# Altium PCB Board.PcbDoc
Units mm, origin at the board's own origin, x right, y up, seen from the top; angles counter-clockwise.
Board outline 85.1 x 45.1 mm, 2 copper layers (Top Layer, Bottom Layer), stack 1.662 mm thick; 81 components, 65 nets, 254 pads, 39 vias.
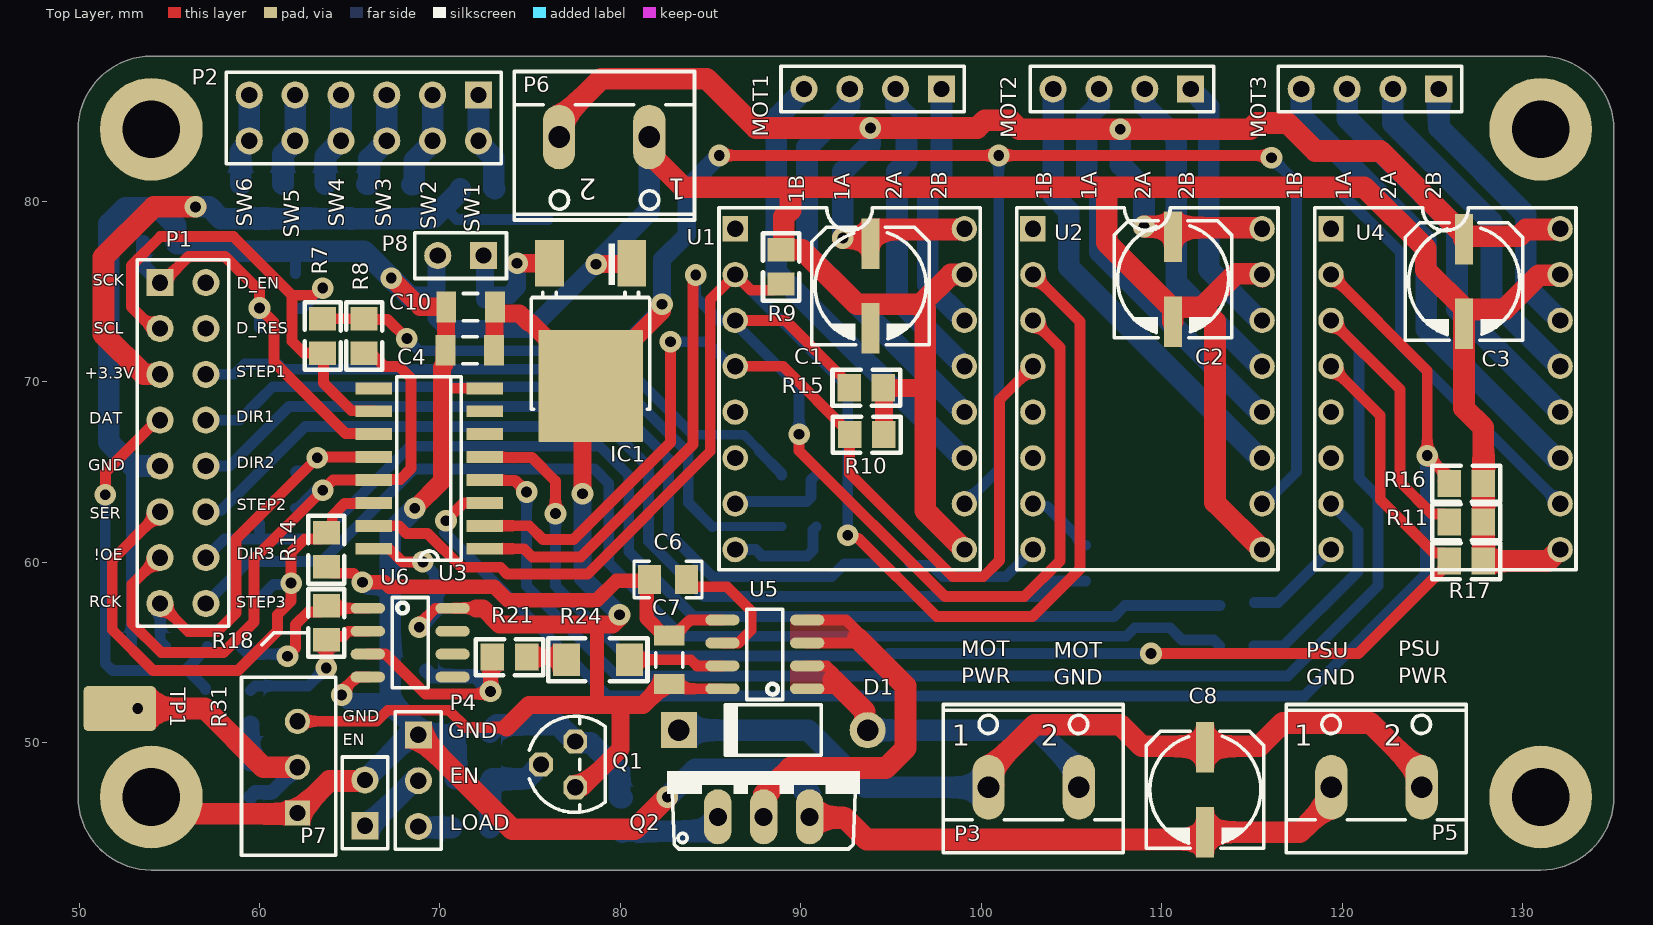
[diagram p0: Top Layer view]
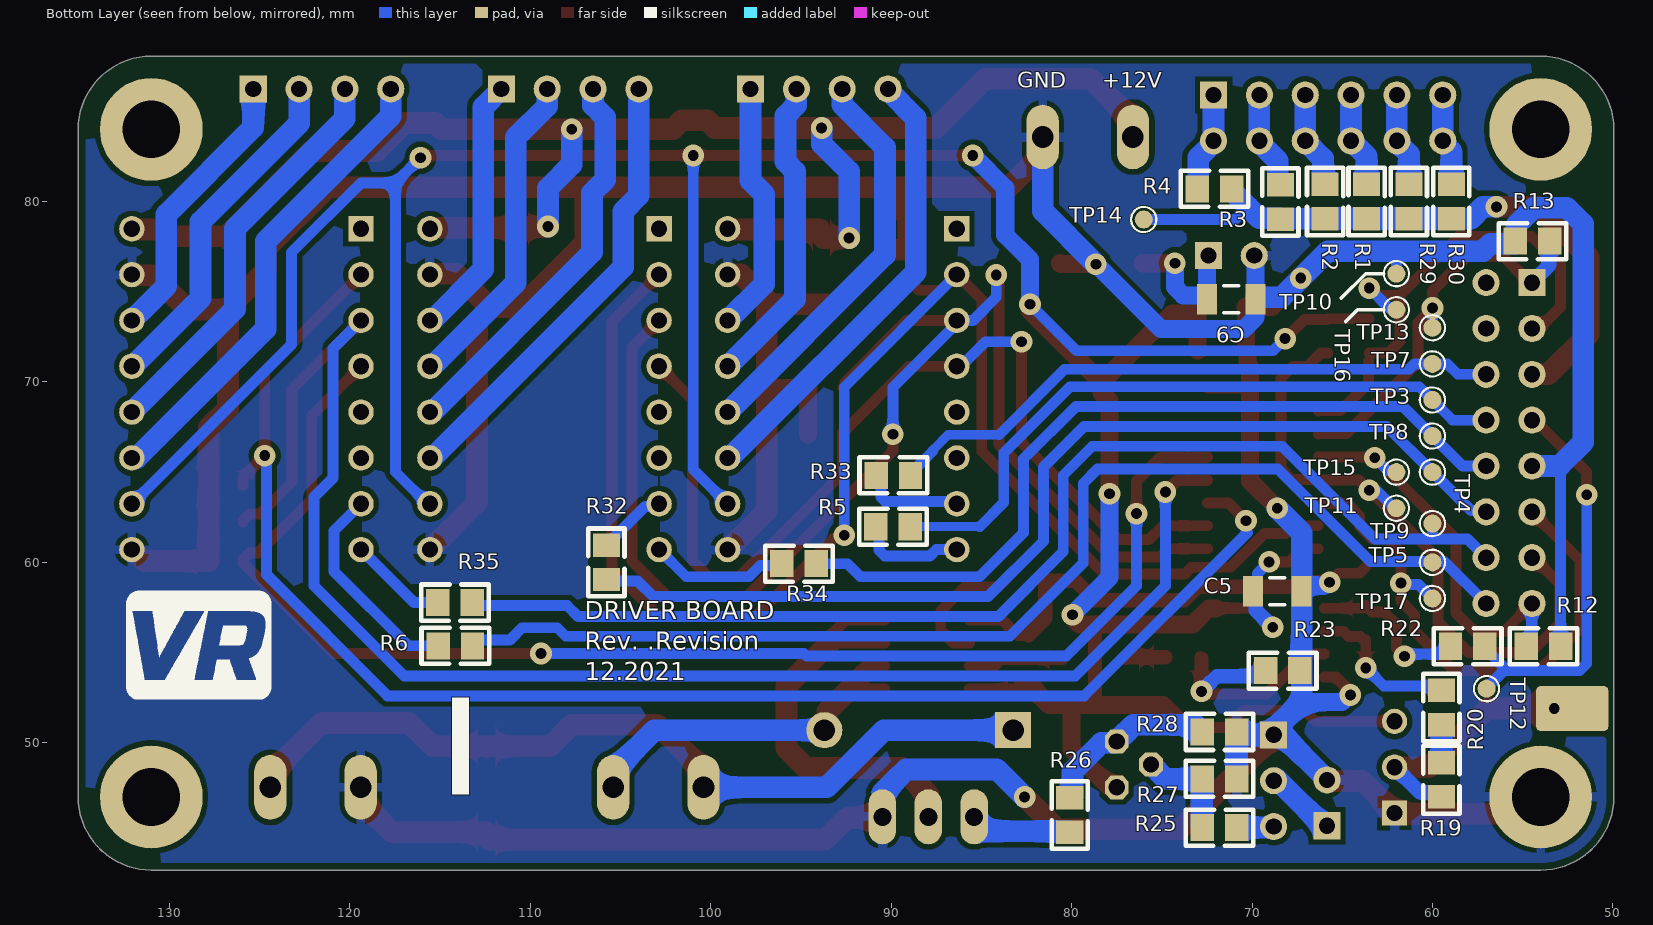
[diagram p1: Bottom Layer view, seen from below]
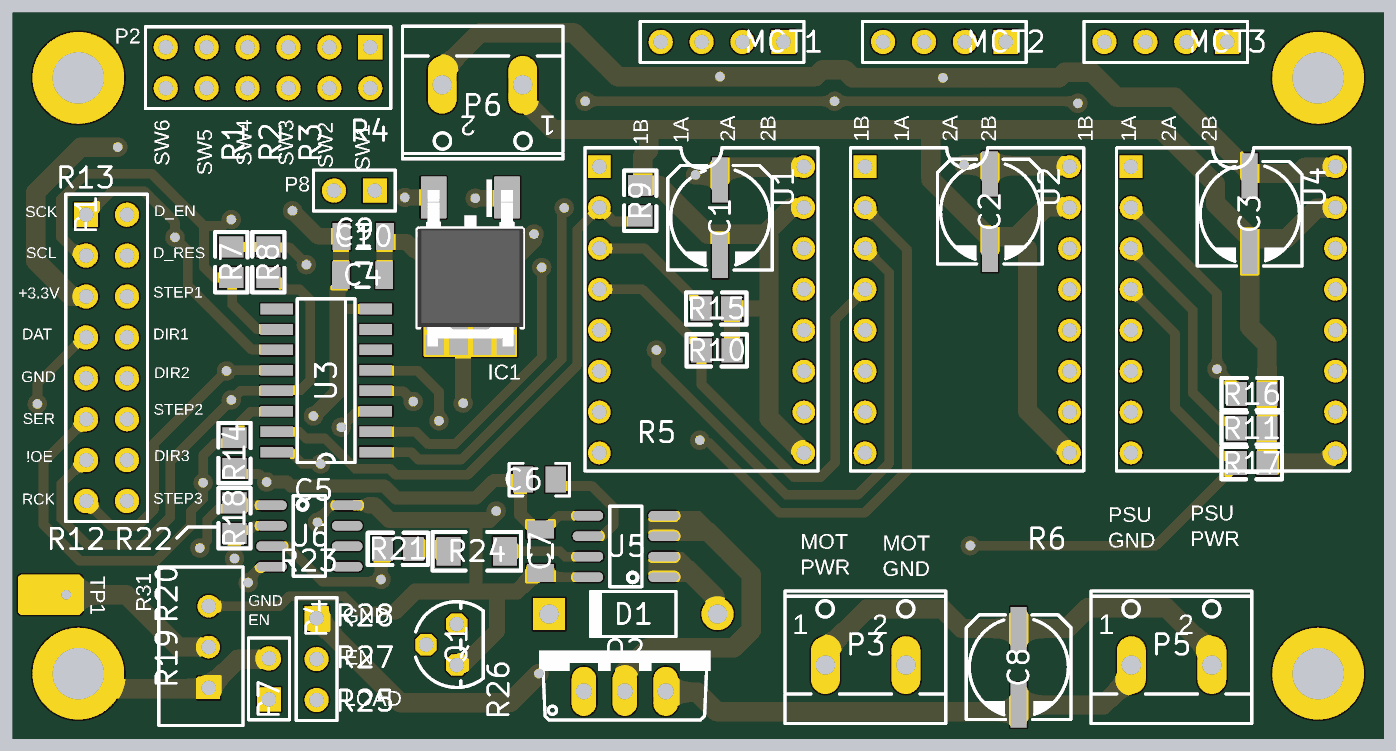
[diagram p2: 3D render of the assembled board from above, using the file's embedded part models]
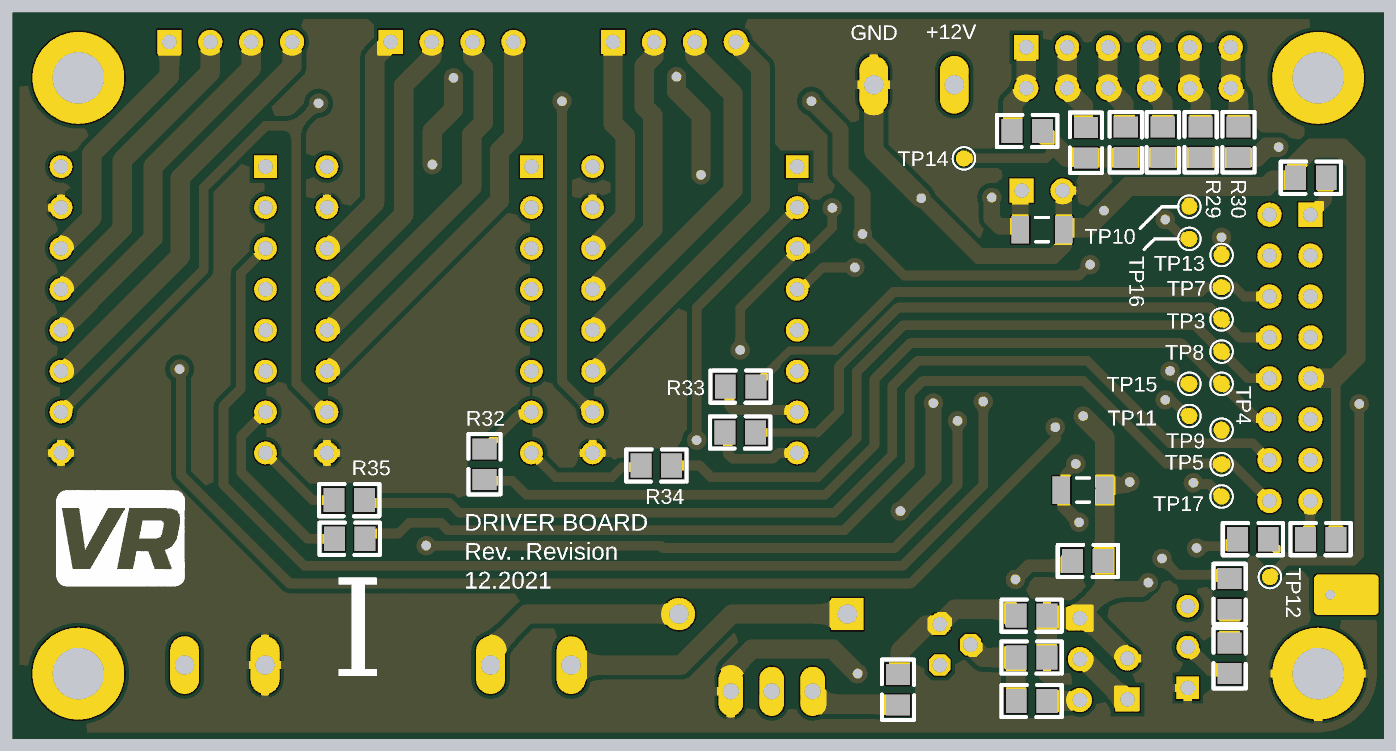
[diagram p3: 3D render of the assembled board from below, using the file's embedded part models]

## Layer stack, top to bottom
Top Solder: solder mask 0.0102, Solder Resist, Dk 3.5
Top Layer: signal copper 0.0356
Dielectric 1: core 1.591, Core-042, Dk 4.6
Bottom Layer: signal copper 0.0356
Bottom Solder: solder mask 0.0102, Solder Resist, Dk 3.5

## Board outline
49.95,46.999 cw(c54,47) 49.95,47 49.95,84 cw(c50,84) 49.95,84.001 cw(c54,84) 54,88.05 131,88.05 cw(c131,84) 135.05,84 135.05,47 cw(c131,47) 131,42.95 54,42.95 cw(c54,47)

## Design rules (kind name [scope] priority, off if disabled: settings)
BoardOutlineClearance [All] p1: gap=0.4 ignorepadtopadclearanceinfootprint=FALSE except(0.35: Text-OutlineEdge Text-CavityEdge Text-CutoutEdge Text-SplitBarrior Text-SplitContinuation)
Clearance Clearance_3level [All] p1: gap=0.3 ignorepadtopadclearanceinfootprint=FALSE // 3? ???? ???????? ?? ????
Clearance "Clearance Bottom Layer" [OnLayer('Bottom Layer')] p2 off: gap=0.203 ignorepadtopadclearanceinfootprint=TRUE except(0.254: Arc-Text Track-Text SMDPad-Text THPad-Text Via-Text Fill-Text Poly-Text Region-Text Text-Text; 0.3: Arc-Poly Track-Poly SMDPad-Poly THPad-Poly Via-Poly Fill-Poly Poly-Poly)
Clearance "Clearance Top Layer" [OnLayer('Top Layer')] p3 off: gap=0.203 ignorepadtopadclearanceinfootprint=TRUE except(0.254: Arc-Text Track-Text SMDPad-Text THPad-Text Via-Text Fill-Text Poly-Text Region-Text Text-Text)
Clearance [All] p4 off: gap=0.2 ignorepadtopadclearanceinfootprint=FALSE except(0.089: Arc-Arc Arc-Track Arc-SMDPad Track-Track Track-SMDPad SMDPad-SMDPad; 0.127: Arc-Via Track-Via SMDPad-Via THPad-Via Via-Via; 0.254: Arc-Text Track-Text SMDPad-Text THPad-Text Via-Text Fill-Text Poly-Text Region-Text Text-Text)
DiffPairsRouting [All] p1 off: maxlimit=0.254 minlimit=0.254 mostfreqgap=0.254 toplayer_minwidth=0.381 toplayer_maxwidth=0.381 toplayer_prefwidth=0.381 bottomlayer_minwidth=0.381 bottomlayer_maxwidth=0.381 bottomlayer_prefwidth=0.381 maxuncoupledlength=12.7
Height [All] p1 off: minheight=0 maxheight=25.4 prefheight=12.7
HoleSize [All] p1: absolutevalues=TRUE maxlimit=6.3 minlimit=0.2 maxpercent=80.000 minpercent=20.000
HoleToHoleClearance [All] p1: gap=0.2 allowstackedmicrovias=TRUE
MinimumAnnularRing [All] p1: minimumring=0.076
MinimumSolderMaskSliver [All] p1: minsoldermaskwidth=0.15
PolygonConnect PolygonConnect_1 [All] p1: thpad.connectstyle=Relief thpad.reliefconductorwidth=0.508 thpad.reliefentries=4 thpad.polygonreliefangle="90 Angle" thpad.airgapwidth=0.254 smdpad.connectstyle=Relief smdpad.reliefconductorwidth=0.508 smdpad.reliefentries=4 smdpad.polygonreliefangle="90 Angle" smdpad.airgapwidth=0.254 via.connectstyle=Direct via.reliefconductorwidth=0.508 via.reliefentries=4 via.polygonreliefangle="90 Angle" via.airgapwidth=0.254
RoutingVias RoutingVias_0.6/1.2 [All] p1: holewidth=0.6 width=1.2 viastyle="Through Hole" minholewidth=0.6 minwidth=1.2 maxholewidth=0.6 maxwidth=1.2
RoutingVias [All] p2 off: holewidth=0.5 width=1 viastyle="Through Hole" minholewidth=0.2 minwidth=0.45 maxholewidth=1 maxwidth=2
SilkToSilkClearance [All] p1: silktosilkclearance=0.25
SilkToSolderMaskClearance [IsPad] p1: minsilkscreentomaskgap=0.1 clearancetoexposedcopper=TRUE
SolderMaskExpansion [All] p1: expansion=0.102 istentingtop=FALSE
Width Width_3level [All] p1: maxlimit=2 minlimit=0.25 preferedwidth=0.3
Width [All] p2 off: maxlimit=2.54 minlimit=0.089 preferedwidth=0.381
23 further rules are at their usual default settings.

## Components (designator, comment, footprint, x,y, rotation, side; value= is the part's Value field where it differs from the comment)
C1 "Cap Pol" UD-6,3X5,8_NICHICON 93.853,75.311 r90 top value=100uF
C2 "Cap Pol" UD-6,3X5,8_NICHICON 110.617,75.692 r90 top value=100uF
C3 "Cap Pol" UD-6,3X5,8_NICHICON 126.746,75.565 r90 top value=100uF
C4 "Cap" C1206 71.65,71.75 r0 top value=0.1uF
C5 "Cap" C1206 68.6,58.4 r180 bottom value=0.1uF
C6 "Cap" C0805 81.618,59.05 r0 top value=1nF
C7 "Cap" C1206 82.7,54.6 r270 top value=0.1uF
C8 "Cap Pol" UD-6,3X5,8_NICHICON 112.4,47.4 r90 top value=100uF
C9 "Cap" C1206 71.15,74.575 r0 bottom value=0.33uF
C10 "Cap" C1206 71.7,74.15 r0 top value=0.1uF
D1 "1N4006" DO-41 88.47,50.7 r180 top
IC1 "MC33269" DPAK 78.35,73.175 r270 top
MOT1 "PLS-4" HDR1X4 97.79,86.233 r180 top
MOT2 "PLS-4" HDR1X4 111.6,86.233 r180 top
MOT3 "PLS-4" HDR1X4 125.349,86.233 r180 top
P1 "PLD-16" HDR2X8 54.483,75.5 r270 top
P2 "PLD-12" HDR2X6 72.13,85.9 r180 top
P3 "306-021-12" W237-102 102.9,48.8 r0 top
P4 "PLD-3" HDR1X3 68.8,50.44 r270 top
P5 "306-021-12" W237-102 121.9,48.8 r0 top
P6 "306-021-12" W237-102 79.1,82.3 r180 top
P7 "PLS-2" HDR1X2 65.843,45.403 r90 top
P8 "PLS-2" HDR1X2 72.415,77 r180 top
Q1 "2N2222" TO92 77.5,48.8 r90 top
Q2 "IRL540N" TO220BV 87.94,48.44 r0 top
R1 "10k" RES-0805 63.65,80 r90 bottom
R2 "10k" RES-0805 65.95,80 r90 bottom
R3 "10k" RES-0805 68.425,79.975 r90 bottom
R4 "10k" RES-0805 72.075,80.7 r0 bottom
R5 "1k" RES-0805 89.9,61.975 r180 bottom
R6 "1k" RES-0805 114.15,55.375 r180 bottom
R7 "10k" RES-0805 63.5,72.55 r270 top
R8 "10k" RES-0805 65.8,72.55 r270 top
R9 "10k" RES-0805 88.9,76.375 r90 top
R10 "10k" RES-0805 93.65,67.075 r0 top
R11 "10k" RES-0805 126.873,62.23 r0 top
R12 "10k" RES-0805 53.85,55.35 r180 bottom
R13 "10k" RES-0805 54.45,77.8 r0 bottom
R14 "10k" RES-0805 63.7,60.7 r270 top
R15 "10k" RES-0805 93.625,69.675 r0 top
R16 "10k" RES-0805 126.873,64.362 r0 top
R17 "10k" RES-0805 126.873,60.071 r0 top
R18 "100k" RES-0805 63.7,56.65 r90 top
R19 "470" RES-0805 59.5,47.95 r90 bottom
R20 "30k" RES-0805 59.5,51.95 r270 bottom
R21 "30k" RES-0805 73.85,54.75 r0 top
R22 "100" RES-0805 58.05,55.35 r180 bottom
R23 "100k" RES-0805 68.3,54 r180 bottom
R24 "470" RES-1206 78.75,54.6 r180 top
R25 "1k" RES-0805 71.8,45.3 r180 bottom
R26 "100" RES-0805 80.1,46 r90 bottom
R27 "10k" RES-0805 71.8,48 r180 bottom
R28 "220" RES-0805 71.8,50.6 r180 bottom
R29 "10k" RES-0805 61.3,80 r90 bottom
R30 "10k" RES-0805 58.95,80 r90 bottom
R31 "1k" VR5 62.1,48.65 r90 top
R32 "1k" RES-0805 105.775,60 r270 bottom
R33 "1k" RES-0805 89.875,64.825 r180 bottom
R34 "1k" RES-0805 95.1,59.925 r180 bottom
R35 "1k" RES-0805 114.175,57.775 r180 bottom
TP1 "Adjust" TESTPOINT 53.25,51.9 r180 top
TP3 "=Value" TP_SMD_1MM 60,69 r90 bottom
TP4 "=Value" TP_SMD_1MM 60,65 r90 bottom
TP5 "=Value" TP_SMD_1MM 60,60 r90 bottom
TP7 "=Value" TP_SMD_1MM 60,71 r90 bottom
TP8 "=Value" TP_SMD_1MM 60,67 r90 bottom
TP9 "=Value" TP_SMD_1MM 60,62.15 r90 bottom
TP10 "=Value" TP_SMD_1MM 62,76 r90 bottom
TP11 "=Value" TP_SMD_1MM 62,63 r90 bottom
TP12 "=Value" TP_SMD_1MM 57,53 r90 bottom
TP13 "=Value" TP_SMD_1MM 60,73 r90 bottom
TP14 "=Value" TP_SMD_1MM 76,79 r90 bottom
TP15 "=Value" TP_SMD_1MM 62,65 r90 bottom
TP16 "=Value" TP_SMD_1MM 62,74 r90 bottom
TP17 "=Value" TP_SMD_1MM 60,58 r90 bottom
U1 "LV7829" LV8729_BREAKOUT 97.79,77.216 r270 top
U2 "LV7829" LV8729_BREAKOUT 114.29,77.216 r270 top
U3 "SNx4HC595" SO16 69.4,65.2 r90 top
U4 "LV7829" LV8729_BREAKOUT 130.807,77.216 r270 top
U5 "Current Sensor" SO-8_L 88,54.9 r180 top value=ACS712ELCTR-05B
U6 "LM358M" SO-8_L 68.35,55.55 r0 top

## Footprints (in the part's own frame and the unit in brackets; to place one, negate y for a bottom-side part, rotate by r counter-clockwise, add the part's x,y. Pads: shape width x height; smd on the part's side, far side on the other; paste and mask are expansions set on the pad)
C0805 [mil]
  rect 50x63 smd: 1(0,0) 2(80,0)
  silkscreen extent -34,-40 114,40, body extent 0,-25 78,26, height 51
C1206 [mm] "Chip Capacitor, Body 3.2x1.6mm, IPC High Density"
  rect 1.1x1.7 smd: 1(-1.35,0) 2(1.35,0)
  silkscreen extent -0.4,-0.75 0.4,0.75, body extent -1.6,-0.8 1.6,0.82, height 1.64
DO-41 [mm] "Diode, Axial; Body 5.2 x 2.7 mm (LxDia. max), Lead Dia. 0.86 mm (max)"
  round 2 hole 1.2: 1(-5.23,0)
  rect 2x2 hole 1.2: 2(5.23,0)
  silkscreen extent -2.65,-1.4 2.75,1.4, body extent -5.65,-1.32 5.7,1.32, height 2.82
DPAK [mm] "D-PAK, 3-Pads, Body 6.22x6.73mm (max), TO-252AA using nominal STEP model"
  rrect6% 2.6x1.6 smd: 1(-3.4,2.28) 3(-3.4,-2.28)
  rrect2% 6.2x5.8 smd paste-2.9: 4(3.4,0)
  silkscreen extent -4.5,-3.3 4.7,3.28, body extent -3.86,-3.29 5.84,3.29, height 2.48
HDR1X2 [mm] "Connector; Header; 2 Position"
  rect 1.5x1.5 hole 0.9: 1(0,0)
  round 1.5 hole 0.9: 2(2.54,0)
  silkscreen extent -1.27,-1.27 3.81,1.27, body extent -1.26,-1.28 3.82,1.26, height 8.61
HDR1X3 [mm] "Connector; Header; 3 Position"
  rect 1.5x1.5 hole 0.9: 1(0,0)
  round 1.5 hole 0.9: 2(2.54,0) 3(5.08,0)
  silkscreen extent -1.27,-1.27 6.35,1.27, body extent -1.28,-1.27 6.34,1.27, height 8.61
HDR1X4 [mm] "Connector; Header; 4 Position"
  rect 1.5x1.5 hole 0.9: 1(0,0)
  round 1.5 hole 0.9: 2(2.54,0) 3(5.08,0) 4(7.62,0)
  silkscreen extent -1.27,-1.27 8.89,1.27, body extent -1.28,-1.27 8.88,1.27, height 8.61
HDR2X6 [mm] "Connector; Header; 6x2 Position"
  rect 1.5x1.5 hole 0.9: 1(0,0)
  round 1.5 hole 0.9: 2(0,2.54) 3(2.54,0) 4(2.54,2.54) 5(5.08,0) 6(5.08,2.54) 7(7.62,0) 8(7.62,2.54) 9(10.16,0) 10(10.16,2.54) 11(12.7,0) 12(12.7,2.54)
  silkscreen extent -1.27,-1.27 13.96,3.81, body extent -1.27,-1.28 13.97,3.8, height 8.61
HDR2X8 [mm] "Connector; Header; 8x2 Position"
  rect 1.5x1.5 hole 0.9: 1(0,0)
  round 1.5 hole 0.9: 2(0,2.54) 3(2.54,0) 4(2.54,2.54) 5(5.08,0) 6(5.08,2.54) 7(7.62,0) 8(7.62,2.54) 9(10.16,0) 10(10.16,2.54) 11(12.7,0) 12(12.7,2.54) 13(15.24,0) 14(15.24,2.54) 15(17.78,0) 16(17.78,2.54)
  silkscreen extent -1.27,-1.27 19.05,3.81, body extent -1.28,-1.28 19.04,3.8, height 8.61
LV8729_BREAKOUT [mm] "LV8729_BREAKOUT"
  rect 1.408x1.408 hole 0.9: 1(-1.27,-11.43)
  round 1.408 / inner round 0 / far side round 1.408 hole 0.9: 2(1.27,-11.43) 3(3.81,-11.43) 4(6.35,-11.43) 5(8.89,-11.43) 6(11.43,-11.43) 7(13.97,-11.43) 8(16.51,-11.43) 9(16.51,1.27) 10(13.97,1.27) 11(11.43,1.27) 12(8.89,1.27) 13(6.35,1.27) 14(3.81,1.27) 15(1.27,1.27) 16(-1.27,1.27)
  silkscreen extent -2.44,-12.33 17.63,2.15, body extent -2.55,-12.73 17.8,2.52, height 26.01
RES-0805 [mm] "Chip Resistor; Body 2 x 1.3 mm (LxW typ)"
  rect 1.3x1.5 smd: 1(-0.95,0) 2(0.95,0)
  silkscreen extent -1.88,-1 1.88,1, body extent -1.24,-0.65 1.29,0.6, height 0.51
RES-1206 [mm] "Chip Resistor; Body  x mm (LxW typ)"
  rect 1.5x1.8 smd: 1(-1.75,0) 2(1.75,0)
  silkscreen extent -2.75,-1.2 2.75,1.2, body extent -1.9,-0.8 1.9,0.8, height 0.61
SO16 [mil] "SO16"
  rect 26x80 smd: 1(-175,-121) 2(-125,-121) 3(-75,-121) 4(-25,-121) 5(25,-121) 6(75,-121) 7(125,-121) 8(175,-121) 9(175,121) 10(125,121) 11(75,121) 12(25,121) 13(-25,121) 14(-75,121) 15(-125,121) 16(-175,121)
  silkscreen extent -200,-70 200,71, body extent -198,-121 198,121, height 79
SO-8_L [mm] "8-Pin Small Outline Integrated Circuit 1.27 mm Pitch, IPC High Density"
  oval 1.9x0.6 smd: 1(-2.35,1.905) 2(-2.35,0.635) 3(-2.35,-0.635) 4(-2.35,-1.905) 5(2.35,-1.905) 6(2.35,-0.635) 7(2.35,0.635) 8(2.35,1.905)
  silkscreen extent -1,-2.5 1,2.5, body extent -3.09,-2.43 2.94,2.47, height 1.51
TESTPOINT [mm]
  rrect20% 4x2.5 hole 0.6 copper offset 1,0: 1(0,0)
TO92 [mil] "TO92"
  oct 52x52 / inner round 0 / far side oct 52x52 hole 35.43: 1(-50,0) 2(0,75) 3(50,0)
  silkscreen extent -105,-65 105,100, body extent -98,-55 99,116, height 323
TO220BV [mil] "TO220BV"
  oval 60x120 / inner round 0 / far side oval 60x120 hole 39.37: 1(-100,-100) 2(0,-100) 3(100,-100)
  silkscreen extent -210,-170 210,0, body extent -200,-155 200,25, height 730
TP_SMD_1MM [mm]
  round 1 smd paste-10 mask+0.05: 1(0,0)
  silkscreen extent -0.7,-0.7 0.7,0.7
UD-6,3X5,8_NICHICON [mm] "UD-6,3X5,8_NICHICON"
  rect 2.8x1 smd: 1(2.35,0) 2(-2.35,0)
  silkscreen extent -3.25,-3.25 3.25,3.25, body extent -3.67,-3.3 3.62,3.3, height 5.41
VR5 [mm] "Thru-Hole; 3 Leads"
  rect 1.4x1.4 hole 0.9: 1(-2.54,0)
  round 1.4 hole 0.9: 2(0,0) 3(2.54,0)
  silkscreen extent -4.87,-2.12 4.97,3.1, body extent -4.75,-2 4.85,3, height 11.61
W237-102 [mil] "W237-102"
  oval 70.5x141 / inner round 0 / far side oval 70.5x141 hole 47.24: 1(-98.43,-50) 2(98.43,-50)
  silkscreen extent -197,-193 196,131, body extent -209,-187 201,120, height 409

## Part data
C1 C2 C3 C8: library part "Cap Pol1", "Polarized Capacitor (Radial) 16V, 105°C, 20% 6.3x5.4mm", Manufacturer=JB, Manufacturer_Part_Number=JCL1C101M063054, CHIPIDIP-code=9000565735
C4 C5 C7 C10: "Capacitor ceramic SMD", Manufacturer=Murata, Manufacturer_Part_Number=GRM319R71H104K, CHIPIDIP-code=348319975, Part_Type=Capacitor
C6: "Capacitor ceramic SMD", Manufacturer=HOLYSTONECAPS, Manufacturer_Part_Number=MLCC1000pFX7R50V10%0805, CHIPIDIP-code=40582, Part_Type=Capacitor
C9: "Capacitor ceramic SMD", Manufacturer=Murata, Manufacturer_Part_Number=GRM319R71H334KA01D, CHIPIDIP-code=344025606, Part_Type=Capacitor
D1: library part "Diode 1N4004", "1 Amp General Purpose Rectifier", Manufacturer="DC COMPONENTS CO., LTD.", CHIPIDIP-code=3519, ComponentLink1Description="Manufacturer Link", ComponentLink1URL=http://www.fairchildsemi.com/, ComponentLink2Description=Datasheet, ComponentLink2URL=http://www.fairchildsemi.com/ds/1N%2F1N4001.pdf, Manufacturer_Part_Number=1N4006, Part_Type="Diode, Axial"
IC1: library part "Volt Reg 5V", "5V Voltage Regulator", Manufacturer="ON Semiconductor", Manufacturer_Part_Number=MC33269DT-5.0, CHIPIDIP-code=563066499, Part_Type="Voltage regulator"
MOT1 MOT2 MOT3: library part "Header 4", "Header, 4-Pin", Manufacturer=Connfly, Manufacturer_Part_Number=DS1021-1*4SF11-B, Value2=(DS1021-1x4), CHIPIDIP-code=174993133, Part_Type=Connector
P1: library part "Header 8X2", "Header, 8-Pin, Dual row", Manufacturer=Connfly, Manufacturer_Part_Number=DS1021-2*8SF11-B, Value2=(DS1021-2x8), CHIPIDIP-code=4114, Part_Type=Connector
P2: library part "Header 6X2", "Header, 6-Pin, Dual row", Manufacturer=Connfly, Manufacturer_Part_Number=DS1021-2*6SF11-B, Value2=DS1021-2x6, CHIPIDIP-code=none, Part_Type=Connector
P3 P5 P6: library part "Header 2", "Screw connector, 2-Pin", Manufacturer="Ningbo Xinya M&E", Manufacturer_Part_Number=XY306A-5.0-2P-12, CHIPIDIP-code=43112, Part_Type=Connector
P4: library part "Header 3", "Header, 3-Pin", Manufacturer=Connfly, Manufacturer_Part_Number=DS1021-1*3SF11-B, Value2=(DS1021-1x3), CHIPIDIP-code=132511368, Part_Type=Connector
P7 P8: library part "Header 2", "Header, 2-Pin", Manufacturer=Connfly, Manufacturer_Part_Number=DS1021-1*2SF11-B, Value2=(DS1021-1x2), CHIPIDIP-code=260750144, Part_Type=Connector
Q1: library part NPN, "NPN Bipolar Transistor", Manufacturer="ON Semiconductor", Manufacturer_Part_Number=KSP2222ABU, CHIPIDIP-code=363567003, Part_Type=Transistor
Q2: library part NMOS-2, "N-Channel Power MOSFET", Manufacturer="Infineon Technologies", Manufacturer_Part_Number=IRL540NPBF, CHIPIDIP-code=387859736, ComponentLink1Description="Manufacturer Link", ComponentLink1URL=http://www.irf.com/, Part_Type=Transistor
R1 R2 R3 R4 R7 R8 R9 R10 R11 R12 R13 R14 R15 R16 R17 R27 R29 R30: library part Res, "Rectangular Thick Film Chip Resistor", Manufacturer=Yageo, Manufacturer_Part_Number=RC0805FR-0710KL, CHIPIDIP-code=9000079514, ComponentLink1Description="Manufacturer Link", ComponentLink1URL=http://www.panasonic.com/industrial/components/resistive_products.htm, ComponentLink2Description=Datasheet, ComponentLink2URL=http://www.panasonic.com/industrial/components/pdf/AOA0000CE8.pdf, Note="If flow soldering, adjust pad width of PCB Footprint to 0.7 - 0.8 times the width of the resistor.", Part_Type=Resistor